# Altium PCB gpn-badge.PcbDoc (part 1 of 2)
Units mm, origin at the board's own origin, x right, y up, seen from the top; angles counter-clockwise.
Board outline 33.25 x 158.25 mm, 2 copper layers (Top Layer, Bottom Layer), stack 1.571 mm thick; 99 components, 87 nets, 437 pads, 266 vias.
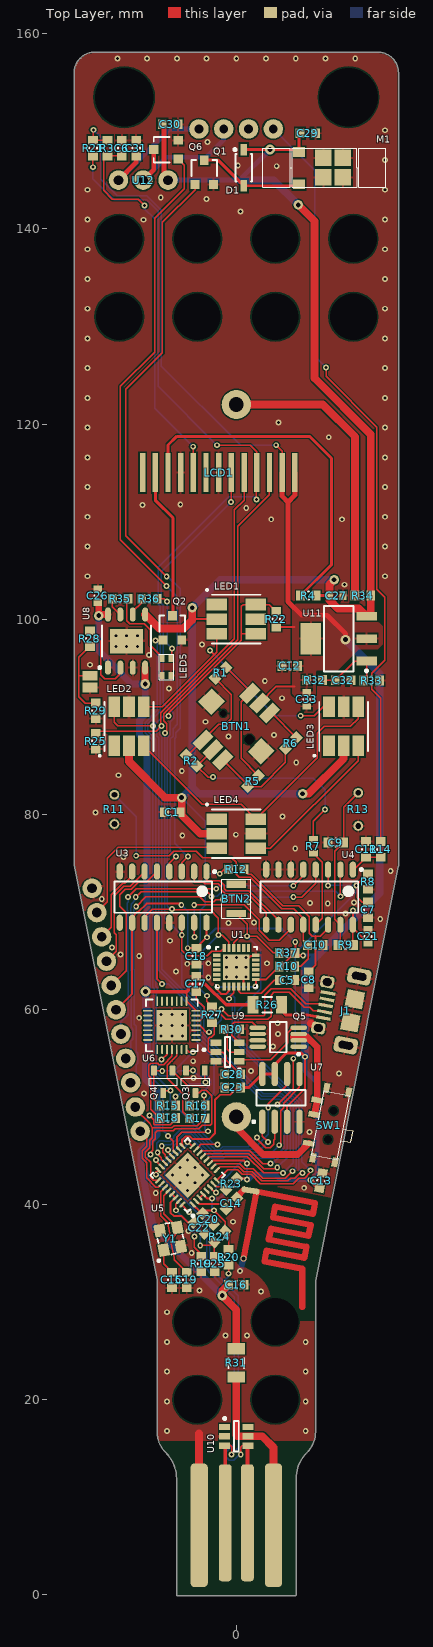
[diagram p0: Top Layer view]
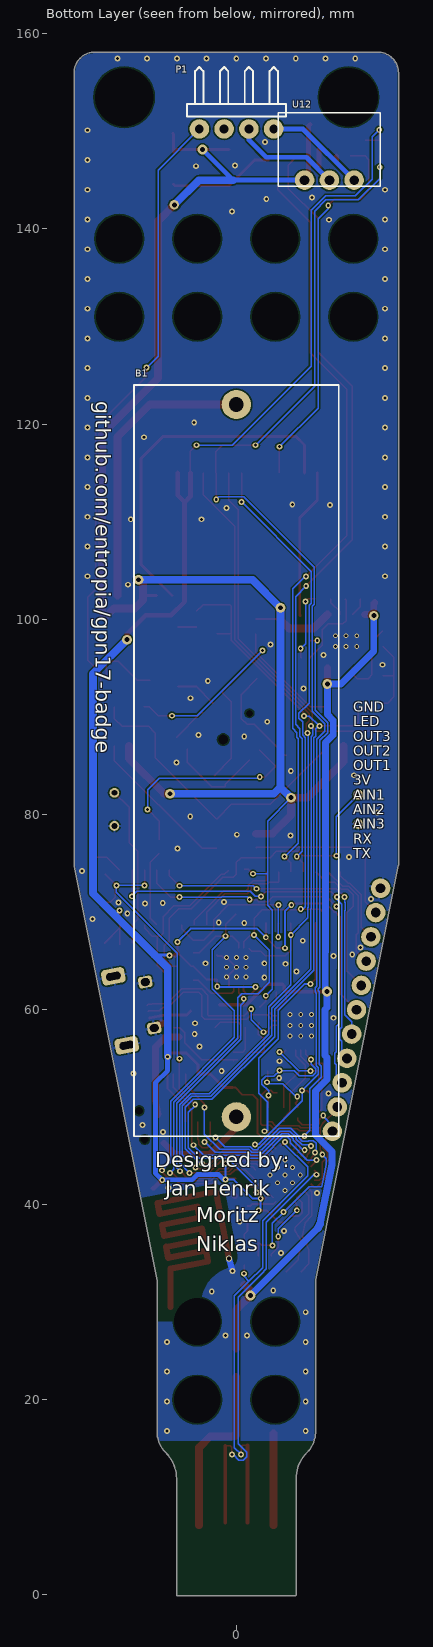
[diagram p1: Bottom Layer view, seen from below]
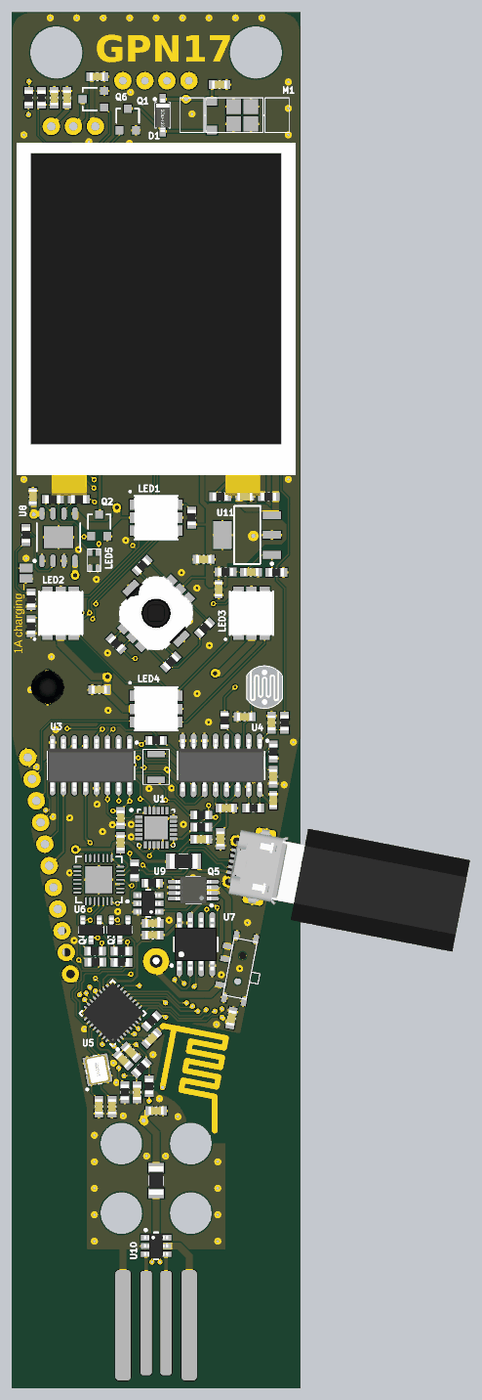
[diagram p3: 3D render of the assembled board from above, using the file's embedded part models]

## Layer stack, top to bottom
Top Solder: solder mask 0.0102, Solder Resist, Dk 3.5
Top Layer: signal copper 0.0356
Dielectric 1: dielectric 1.5, FR-4, Dk 4.8
Bottom Layer: signal copper 0.0356
Bottom Solder: solder mask 0.0102, Solder Resist, Dk 3.5

## Board outline
-7.241,14.561 cw(c-5.098,16.702) -8.126,16.607 cw(c-8,16.626) -8.127,16.626 -8.127,32.287 -16.625,74.775 cw(c-16.5,74.8) -16.627,74.8 -16.627,156 cw(c-14.5,156) -14.5,158.127 14.5,158.127 cw(c14.5,156) 16.627,156 16.627,74.7 cw(c16.5,74.7) 16.625,74.675 8.127,32.187 8.127,16.702 ccw(c8,16.702) 8.127,16.703 8.127,16.702 cw(c5.098,16.702) 7.241,14.561 cw(c5.098,16.702) 7.24,14.56 ccw(c7.15,14.65) 7.241,14.561 7.24,14.56 ccw(c9.926,11.874) 6.127,11.874 6.127,0 cw(c6,0) 6,-0.127 -6,-0.127 cw(c-6,0) -6.127,0 -6.127,11.874 ccw(c-9.926,11.874) -7.24,14.56 cw(c-7.15,14.65)

## Design rules (kind name [scope] priority, off if disabled: settings)
Clearance [All] p1: gap=0.15
ComponentClearance [All] p1 off: gap=0.254 collisioncheckmode=3 verticalgap=0.254 showdistances=FALSE
DiffPairsRouting [All] p1: maxlimit=0.254 minlimit=0.15 mostfreqgap=0.2 toplayer_minwidth=0.15 toplayer_maxwidth=0.381 toplayer_prefwidth=0.15 bottomlayer_minwidth=0.15 bottomlayer_maxwidth=0.381 bottomlayer_prefwidth=0.15 maxuncoupledlength=12.7
PolygonConnect [All vs IsVia] p1: connectstyle=Direct reliefconductorwidth=0.254 reliefentries=4 polygonreliefangle="90 Angle" airgapwidth=0.254
PolygonConnect PolygonConnect_1 [All] p2: connectstyle=Relief reliefconductorwidth=0.254 reliefentries=4 polygonreliefangle="90 Angle" airgapwidth=0.15
RoutingVias [All] p1: holewidth=0.3 width=0.6 viastyle="Through Hole" minholewidth=0.3 minwidth=0.5 maxholewidth=0.8 maxwidth=1.4
SolderMaskExpansion [All] p1: expansion=0.102
Width [All] p1: maxlimit=1 minlimit=0.15 preferedwidth=0.15
28 further rules are at their usual default settings.

## Classes and differential pairs
component class cpu: BTN2 C14 C15 C16 C17 C18 C19 C20 C22 C23 C25 Q3 Q4 R15 R16 R17 R18 R19 R20 R21 R22 R23 R24 R25 R37 U5 U6 U7 Y1
component class power: B1 C26 C27 C28 C29 C30 C31 C32 C33 D1 J1 LED5 M1 P1 Q1 Q5 Q6 R26 R27 R28 R29 R30 R31 R32 R33 R34 R35 R36 SW1 U8 U9 U10 U11 U12
component class gpio: *1 BTN1 C1 C5 C6 C7 C8 C9 C10 C11 C12 C13 LCD1 LED1 LED2 LED3 LED4 Q2 R1 R2 R3 R4 R5 R6 R7 R8 R9 R10 R11 R12 R13 R14 U1 U3 U4
differential pair SER: +SER_P -SER_N
differential pair USB: +USB_P -USB_N

## Components (designator, comment, footprint, x,y, rotation, side; value= is the part's Value field where it differs from the comment)
B1 "18650–Holder" 18650–Holder 0,85.49 r180 bottom
BTN1 "joystick" joystick 0,89 r45 top
BTN2 "" BUTON -1.5,73.325 r270 top
C1 "100n 25V" C-0603-M -6.553,80.213 r0 top
C5 "100n 25V" C-0603-M 5.2,63 r180 top
C6 "100n 25V" C-0603-M -11.735,148.285 r270 top
C7 "1n 50V" C-0603-M 13.5,70.2 r90 top
C8 "100n 25V" C-0603-M 7.417,63.043 r90 top
C9 "100n 25V" C-0603-M 10.2,77.1 r0 top
C10 "100n 25V" C-0603-M 8.1,66.6 r180 top
C11 "100n 25V" C-0603-M 13.3,76.4 r270 top
C12 "100n 25V" C-0603-M 5.486,95.199 r0 top
C13 "100n 25V" C-0603-M 8.687,42.443 r259 top
C14 "5.6p 50V" C-0603-M -0.5,40.1 r45 top
C15 "5.6p 50V" C-0603-M -6.604,32.258 r90 top
C16 "1u 10V" C-0603-M 0,31.775 r180 top
C17 "100n 25V" C-0603-M -4.1,62.6 r270 top
C18 "100n 25V" C-0603-M -4.089,65.456 r90 top
C19 "5.6p 50V" C-0603-M -5.08,32.258 r90 top
C20 "1u 10V" C-0603-M -2.9,38.5 r135 top
C21 "10u 6,3V" C-0603-H 13.513,67.488 r270 top
C22 "100n 25V" C-0603-M -3.8,37.6 r135 top
C23 "1u 10V" C-0603-M -0.381,51.994 r0 top
C25 "220p 50V" C-0603-M -2.2,33.9 r90 top
C26 "10u 6,3V" C-0603-H -14.2,102.4 r270 top
C27 "10u 6,3V" C-0603-H 10.236,102.413 r180 top
C28 "100n 25V" C-0603-M -0.381,53.34 r0 top
C29 "100n 25V" C-0603-M 7.315,149.809 r180 top
C30 "100n 25V" C-0603-M -6.782,150.724 r180 top
C31 "100n 25V" C-0603-M -10.262,148.285 r270 top
C32 "100n 25V" C-0603-M 10.947,93.726 r180 top
C33 "10u 6,3V" C-0603-H 7.214,91.77 r90 top
D1 "BAT54T1G" SOD123 0.762,146.279 r90 top
J1 "USB Micro Type B (recommended if hand soldering)" USB_Micro-Molex 13.974,59.451 r79 top
LCD1 "LCD" LCD -16.203,105.011 r0 top
LED1 "WS2813" plcc6 0,100 r0 top
LED2 "WS2813" plcc6 -11,89 r90 top
LED3 "WS2813" plcc6 11,89 r90 top
LED4 "WS2813" plcc6 0,78 r0 top
LED5 "DUO_LED" LEDDUO -6.4,93.8 r90 top
M1 "VIBRATOR" VIBRATOR_SMD 15.326,148.279 r180 top
P1 "Header 4H" HDR1X4H -3.83,150.25 r0 bottom
Q1 "AO3400" AO-SOT23-3_V -3.277,145.796 r0 top
Q2 "AO3400" AO-SOT23-3_V -6.553,99.111 r0 top
Q3 "NPN_MMBT3904" SOT23-3 -4.191,52.578 r270 top
Q4 "NPN_MMBT3904" SOT23-3 -7.493,52.578 r270 top
Q5 "CEG8205" TSSOP8 4.293,57.15 r180 top
Q6 "AO3400" AO-SOT23-3_V -7.214,148.133 r90 top
R1 "?" R-0603-M -1.6,94.5 r225 top
R2 "?" R-0603-M -4.6,85.5 r315 top
R3 "12k" R-0603-M -13.208,148.285 r270 top
R4 "10" R-0603-M 7.391,102.413 r0 top
R5 "?" R-0603-M 1.7,83.4 r225 top
R6 "?" R-0603-M 5.6,87.3 r225 top
R7 "200k" R-0603-H 7.9,76.7 r90 top
R8 "100k" R-0603-M 13.5,73.1 r90 top
R9 "?" R-0603-M 11.2,66.6 r0 top
R10 "?" R-0603-M 5.2,64.4 r180 top
R11 "NTC" NTC -12.5,80.5 r90 top
R12 "300k" R-0603-M 0,74.371 r180 top
R13 "LDR" LDR-5mm 12.5,80.5 r90 top
R14 "?" R-0603-M 14.8,76.4 r90 top
R15 "12k" R-0603-M -7.036,50.14 r0 top
R16 "12k" R-0603-M -3.988,50.14 r180 top
R17 "470" R-0603-M -3.988,48.844 r359.6 top
R18 "470" R-0603-M -7.01,48.87 r0 top
R19 "12k" R-0603-M -3.6,33.9 r270 top
R20 "1.2k" R-0603-M -0.8,34.6 r90 top
R21 "12k" R-0603-M -14.681,148.285 r270 top
R22 "12k" R-0603-M 4.1,100 r90 top
R23 "12k" R-0603-M -0.5,42.1 r225 top
R24 "12k" R-0603-M -1.7,36.7 r225 top
R25 "12k" R-0603-M -14.4,87.5 r90 top
R26 "0.27" R-1206-M 3.175,60.477 r180 top
R27 "100" R-0603-M -2.489,59.436 r90 top
R28 "1.2k" R-0603-M -15,98 r90 top
R29 "1.2k" R-0603-M -14.4,90.6 r90 top
R30 "1.2k" R-0603-M -0.457,57.963 r180 top
R31 "0.27" R-1206-M 0,23.75 r90 top
R32 "150" R-0603-M 8.026,93.751 r0 top
R33 "220" R-0603-M 13.868,93.701 r180 top
R34 "0" R-0603-M 12.979,102.413 r0 top
R35 "1.2k" R-0603-M -11.9,102.1 r180 top
R36 "1.2k" R-0603-M -8.9,102.1 r180 top
R37 "12k" R-0603-M 5.207,65.786 r180 top
SW1 "SWITCH" SWITCH 10.37,44.586 r79 top
U1 "MPU6500" INSE-QFN-24_V 0,64.313 r0 top
U3 "SN74HC595D" D0016A_L -7.5,71.5 r270 top
U4 "CD4051BM" D0016A_M 7.5,71.5 r270 top
U5 "ESP8266EX" QFN32-5x5mm -5,43 r135 top
U6 "CP2102-GM" SLAB-QFN-28-3125x3125TP_M -6.604,58.355 r180 top
U7 "W25Q64" SOIC-8 4.572,50.927 r90 top
U8 "TP4056" SOIC127P600X20_HS-9N -11.25,97.75 r90 top
U9 "DW01A" SOT23-6 -0.889,55.626 r180 top
U10 "IP4220CZ6" SOT23-6 0,16.231 r0 top
U11 "LM1117IMPX-ADJ" MP04A_L 10.5,98 r180 top
U12 "BOOST" BOOST -4.28,144.4 r180 top
Y1 "26MHz" 3225 -6.75,36.5 r101 top
? "Comment" ESP8266_ANT 1.854,36.398 r0 top

## Footprints (in the part's own frame and the unit in brackets; to place one, negate y for a bottom-side part, rotate by r counter-clockwise, add the part's x,y. Pads: shape width x height; smd on the part's side, far side on the other; paste and mask are expansions set on the pad)
3225 [mm]
  rrect20% 1.3x1.1 smd: 1(-1,0.9) 2(1,0.9) 3(1,-0.9) 4(-1,-0.9)
  silkscreen extent -2.1,-1.3 1.6,1.7, body extent -1.6,-1.25 1.6,1.25, height 0.81
18650–Holder [mm]
  round 3 hole 1.5: 1(0,36.51) 2(0,-36.51)
  silkscreen extent -10.5,-38.5 10.5,38.5, body extent -10.49,-38.5 10.49,38.46, height 21.46
AO-SOT23-3_V [mm] "SOT23, 3-Leads, Body 3.016x2.8mm, Pitch 0.95mm"
  rect 0.9x0.95 smd: 1(-0.95,-1.25) 2(0.95,-1.25) 3(0,1.25)
  silkscreen extent -1.3,-0.38 1.3,1.25, body extent -1.14,-1.25 1.17,1.36, height 1.25
BOOST [mm]
  round 2 hole 1: 1(2.72,-0.6) 2(5.26,-0.6) 3(7.8,-0.6)
BUTON [mm]
  rect 0.75x2 smd: 1(3.5,1.5) 2(0.5,1.5)
  silkscreen extent 0,0 4,3
C-0603-H [mm] "Chip Resistor, Body 1.6x0.8mm, IPC High Density"
  rect 0.7x0.9 smd: 1(-0.7,0) 2(0.7,0)
  silkscreen extent -0.05,-0.35 0.05,0.35, body extent -0.85,-0.45 0.85,0.45, height 0.9
C-0603-M [mm] "Chip Resistor, Body 1.6x0.8mm, IPC Medium Density"
  rect 0.9x1 smd: 1(-0.8,0) 2(0.8,0)
  silkscreen extent -0.05,-0.4 0.05,0.4, body extent -0.85,-0.45 0.85,0.45, height 0.9
D0016A_L [mm] "SOIC, 16-Leads, Body 10x4mm, Pitch 1.27mm, IPC High Density"
  oval 1.65x0.65 smd: 1(-2.625,4.445) 2(-2.625,3.175) 3(-2.625,1.905) 4(-2.625,0.635) 5(-2.625,-0.635) 6(-2.625,-1.905) 7(-2.625,-3.175) 8(-2.625,-4.445) 9(2.625,-4.445) 10(2.625,-3.175) 11(2.625,-1.905) 12(2.625,-0.635) 13(2.625,0.635) 14(2.625,1.905) 15(2.625,3.175) 16(2.625,4.445)
  silkscreen extent -2.75,-5 1.6,5.4, body extent -3,-4.95 3,4.95, height 1.59
D0016A_M [mm] "SOIC, 16-Leads, Body 10x4mm, Pitch 1.27mm, IPC Low Density"
  oval 1.65x0.65 smd: 1(-2.825,4.445) 2(-2.825,3.175) 3(-2.825,1.905) 4(-2.825,0.635) 5(-2.825,-0.635) 6(-2.825,-1.905) 7(-2.825,-3.175) 8(-2.825,-4.445) 9(2.825,-4.445) 10(2.825,-3.175) 11(2.825,-1.905) 12(2.825,-0.635) 13(2.825,0.635) 14(2.825,1.905) 15(2.825,3.175) 16(2.825,4.445)
  silkscreen extent -2.95,-5 1.6,5.45, body extent -3,-4.95 3,4.95, height 1.59
ESP8266_ANT [mil] "ESP8266_ANT"
  oval 75x25 smd rot 169 paste-78.74: 1(-15.69,198.06)
  round 25 hole 16 paste-78.74: 2(-43.62,-76.66)
  Top Layer lines w25: -43.62,-76.66 8.85,193.29 244.44,147.49 235.86,103.32 83.71,132.9 75.12,88.72 227.27,59.15 218.68,14.97 66.53,44.55 57.95,0.38 210.1,-29.2 201.51,-73.37 49.36,-43.8 40.77,-87.97 192.93,-117.55 192.93,-271.96
HDR1X4H [mm] "Connector; Header; 4 Position; Right Angle"
  round 2 hole 0.9: 1(0,0) 2(2.54,0) 3(5.08,0) 4(7.62,0)
  silkscreen extent -1.27,-6.35 8.89,-1.27
INSE-QFN-24_V [mm] "QFN, 24-Leads, Body 4.00x4.00mm, Pitch 0.50mm, Thermal Pad 2.7x2.6mm"
  rect 0.8x0.35 smd: 1(-2,1.25) 2(-2,0.75) 3(-2,0.25) 4(-2,-0.25) 5(-2,-0.75) 6(-2,-1.25) 13(2,-1.25) 14(2,-0.75) 15(2,-0.25) 16(2,0.25) 17(2,0.75) 18(2,1.25)
  rect 0.35x0.85 smd: 7(-1.25,-1.975) 8(-0.75,-1.975) 9(-0.25,-1.975) 10(0.25,-1.975) 11(0.75,-1.975) 12(1.25,-1.975) 19(1.25,1.975) 20(0.75,1.975) 21(0.25,1.975) 22(-0.25,1.975) 23(-0.75,1.975) 24(-1.25,1.975)
  rect 2.7x2.6 smd: 25(0,0)
  silkscreen extent -2.97,-2.1 2.1,2.17, body extent -2,-2 2,2, height 0.95
joystick [mm]
  round 0 hole 1 unplated: 0(0,-1.9)
  round 0 hole 0.7 unplated: 0(0,1.9)
  rect 2x1.1 smd: 1(-3.39,1.43) 2(-3.39,0) 3(-3.39,-1.43) 4(3.39,1.43) 5(3.39,0) 6(3.39,-1.43)
  rect 2x1.9 smd: 7(0,3.6) 7(0,-3.6)
  body extent -3.74,-3.75 3.74,3.75, height 5
LCD [mm]
  rect 0.55x4 smd: 1(22.2,10) 2(20.9,10) 3(19.6,10) 4(18.3,10) 5(17,10) 6(15.7,10) 7(14.4,10) 8(13.1,10) 9(11.8,10) 10(10.5,10) 11(9.2,10) 12(7.9,10) 13(6.6,10)
  body extent 0.1,-2.5 32.3,38.1, height 0
LDR-5mm [mm]
  round 1 hole 0.6: 1(-1.7,0) 2(1.7,0)
  body extent -2.52,-2.12 2.52,2.13, height 3.17
LEDDUO [mm]
  rect 0.75x0.5 smd: 1(2.2,1.2) 2(0.4,1.2) 3(2.2,0.3) 4(0.4,0.3)
  silkscreen extent 0,0 2.6,1.5
MP04A_L [mm] "SOT223, 4-Leads, Body 6.5x3.5mm, Pitch 2.3mm, Lead Span 7mm, IPC High Density"
  rect 2.1x0.9 smd: 1(-2.85,2.3) 2(-2.85,0) 3(-2.85,-2.3)
  rect 2.1x3.2 smd: 4(2.85,0)
  silkscreen extent -2.98,-3.35 1.5,3.42, body extent -1.86,-3.35 1.86,3.35, height 1.8
NTC [mm]
  round 1 hole 0.6: 1(-1.5,0) 2(1.5,0)
  body extent -1.96,-1.96 1.96,1.96, height 4.62
plcc6 [mm]
  rect 2.1x1.2 smd: 1(-2,1.5) 2(-2,0) 3(-2,-1.5) 4(2,-1.5) 5(2,0) 6(2,1.5)
  silkscreen extent -3.1,-2.5 2.5,3.1, body extent -2.6,-2.48 2.6,2.53, height 1.6
QFN32-5x5mm [mm] "QFN, 32-Leads, Body 5x5mm, Pitch 0.5mm, Thermal Pad 3.3x3.3mm, IPC Medium Density"
  oval 0.8x0.25 smd: 1(-2.5,1.75) 2(-2.5,1.25) 3(-2.5,0.75) 4(-2.5,0.25) 5(-2.5,-0.25) 6(-2.5,-0.75) 7(-2.5,-1.25) 8(-2.5,-1.75) 17(2.5,-1.75) 18(2.5,-1.25) 19(2.5,-0.75) 20(2.5,-0.25) 21(2.5,0.25) 22(2.5,0.75) 23(2.5,1.25) 24(2.5,1.75)
  oval 0.25x0.8 smd: 9(-1.75,-2.5) 10(-1.25,-2.5) 11(-0.75,-2.5) 12(-0.25,-2.5) 13(0.25,-2.5) 14(0.75,-2.5) 15(1.25,-2.5) 16(1.75,-2.5) 25(1.75,2.5) 26(1.25,2.5) 27(0.75,2.5) 28(0.25,2.5) 29(-0.25,2.5) 30(-0.75,2.5) 31(-1.25,2.5) 32(-1.75,2.5)
  rect 3.3x3.3 smd: 33(0,0)
  silkscreen extent -3.47,-2.7 2.7,2.7, body extent -2.51,-2.51 2.51,2.51, height 0.8
R-0603-H [mm] "Chip Resistor, Body 1.6x0.8mm, IPC High Density"
  rect 0.7x0.9 smd: 1(-0.7,0) 2(0.7,0)
  silkscreen extent -0.05,-0.35 0.05,0.35, body extent -0.87,-0.47 0.88,0.48, height 0.55
R-0603-M [mm] "Chip Resistor, Body 1.6x0.8mm, IPC Medium Density"
  rect 0.9x1 smd: 1(-0.8,0) 2(0.8,0)
  silkscreen extent -0.05,-0.4 0.05,0.4, body extent -0.87,-0.47 0.88,0.48, height 0.55
R-1206-M [mm] "Chip Resistor, Body 3.2x1.6mm, IPC Medium Density"
  rect 1.15x1.8 smd: 1(-1.45,0) 2(1.45,0)
  silkscreen extent -0.5,-0.8 0.5,0.8, body extent -1.62,-0.82 1.63,0.83, height 0.7
SLAB-QFN-28-3125x3125TP_M [mm] "QFN, 28-Leads, Body 5x5mm, Pitch 0.5mm, Thermal Pad 3.13x3.13mm, IPC Low Density"
  oval 0.95x0.2 smd: 1(-2.475,1.5) 2(-2.475,1) 3(-2.475,0.5) 4(-2.475,0) 5(-2.475,-0.5) 6(-2.475,-1) 7(-2.475,-1.5) 15(2.475,-1.5) 16(2.475,-1) 17(2.475,-0.5) 18(2.475,0) 19(2.475,0.5) 20(2.475,1) 21(2.475,1.5)
  oval 0.2x0.95 smd: 8(-1.5,-2.475) 9(-1,-2.475) 10(-0.5,-2.475) 11(0,-2.475) 12(0.5,-2.475) 13(1,-2.475) 14(1.5,-2.475) 22(1.5,2.475) 23(1,2.475) 24(0.5,2.475) 25(0,2.475) 26(-0.5,2.475) 27(-1,2.475) 28(-1.5,2.475)
  rect 3.13x3.13 smd: 29(0,0)
  silkscreen extent -3.42,-2.65 2.65,2.65, body extent -2.5,-2.5 2.5,2.5, height 1
SOD123 [mm]
  rect 1.2x0.7 smd: 1(-1.85,0) 2(1.85,0)
  silkscreen extent -1.43,-0.85 1.97,1.02, body extent -1.93,-0.85 1.93,0.85, height 1.42
SOIC127P600X20_HS-9N [mm] "SOIC, 8-Leads, Body 4,90x3,90mm, Pitch 1,27mm, Thermal Pad 3,40x2,50mm, IPC Medium Density"
  oval 1.45x0.6 smd: 1(-2.725,1.905) 2(-2.725,0.635) 3(-2.725,-0.635) 4(-2.725,-1.905) 5(2.725,-1.905) 6(2.725,-0.635) 7(2.725,0.635) 8(2.725,1.905)
  rect 2.5x3.4 smd: 9(0,0)
  silkscreen extent -2.85,-2.5 1.6,2.88, body extent -2,-2.5 2,2.5, height 1
SOIC-8 [mm] "SOIC, 8-Leads, Body 4.89x3.9mm, Pitch 1.27mm, IPC Low Density"
  oval 2.5x0.65 smd: 1(-2.45,1.905) 2(-2.45,0.635) 3(-2.45,-0.635) 4(-2.45,-1.905) 5(2.45,-1.905) 6(2.45,-0.635) 7(2.45,0.635) 8(2.45,1.905)
  silkscreen extent -2.57,-2.5 0.8,2.9, body extent -3,-2.45 3,2.45, height 1.75
SOT23-3 [mm] "SOT23, 3 pin"
  round 0.5 on Mech15: 0(0,0)
  rrect25% 1x0.6 smd: 1(-1.15,0.95) 2(-1.15,-0.95) 3(1.15,0)
  silkscreen extent -0.38,-1.45 0.38,1.45, body extent -1.4,-1.45 1.4,1.45, height 1.29
SOT23-6 [mm] "SOT23, 6-Leads, Body 2.9x1.6mm, Pitch 0.95mm, Lead Span 2.8mm, IPC Medium Density"
  rect 1.1x0.65 smd: 1(-1.2,0.95) 2(-1.2,0) 3(-1.2,-0.95) 4(1.2,-0.95) 5(1.2,0) 6(1.2,0.95)
  silkscreen extent -1.33,-1.55 0.25,1.95, body extent -1.4,-1.45 1.4,1.45, height 1.45
SWITCH [mm]
  rect 0.6x1.2 smd: 1(1.1,3.2) 2(4.1,3.2) 3(5.6,3.2)
  rect 1x0.6 smd: SH(-0.3,0.2) SH(-0.3,2.5) SH(7,0.2) SH(7,2.5)
  rect 0x0 hole 0.8: ""(1.85,1.35) ""(4.85,1.35)
  silkscreen extent 0,-1 6.7,2.7
TSSOP8 [mm] "TSOP, 8-Leads, Body 3x3mm, Pitch 0.65mm, IPC Medium Density"
  oval 1.7x0.45 smd: 1(-2.1,0.975) 2(-2.1,0.325) 3(-2.1,-0.325) 4(-2.1,-0.975) 5(2.1,-0.975) 6(2.1,-0.325) 7(2.1,0.325) 8(2.1,0.975)
  silkscreen extent -2.22,-1.55 0.85,1.87, body extent -2.05,-1.55 2.05,1.55, height 1.1
USB_Micro-Molex [mm]
  round 0.508 on Mech15: 0(0,0)
  rrect20% 0.35x1.5 smd: 1(-1.3,4.9) 2(-0.65,4.9) 3(0,4.9) 4(0.65,4.9) 5(1.3,4.9)
  rrect50% 1.6x2.4 hole 0.8 slot 1.5 at 90 deg: SH(-3.6,2.1) SH(3.6,2.1)
  rrect50% 1.2x1.4 hole 0.8 slot 0.9 at 90 deg: SH(-2.4,5.2) SH(2.4,5.2)
  rect 1.8x1.8 smd: SH(-1.2,2.1) SH(1.2,2.1)
  body extent -5.35,-21.58 5.35,5.3, height 5.2
VIBRATOR_SMD [mm]
  rect 1.2x1 smd: 1(8.9,0.4) 2(8.9,3.7)
  rect 1.7x1.7 smd: SH(4.4,3) SH(4.4,1) SH(6.4,3) SH(6.4,1)
  silkscreen extent 0,0 12.6,4

## Part data
BTN2: library part BUTTON
C1 C5 C6 C8 C9 C10 C11 C12 C13 C17 C18 C22 C28 C29 C30 C31 C32: library part C-0603-100n-25V, "Capacitor 100n 25V"
C7: library part C-0603-1n-50V, "Capacitor 1nF 50V"
C14 C15 C19: library part C-0603-5p6-50V, "Capacitor 5.6pF 50V"
C16 C20 C23: library part C-0603-1u-10V, "Capacitor 1uF 10V"
C21 C26 C27 C33: library part C-0603-10u-6,3V, "Capacitor 10uF 6,3V"
C25: library part C-0603-220p-50V, "Capacitor 220p 50V"
D1: library part D-BAT54T1G
J1: library part USB_Micro_MOLEX, "Connector SMD-THD USB Micro Type B middle mount"
LED1 LED2 LED3 LED4: "WS2813 Addressable LED"
M1: "rawr"
P1: "Header, 4-Pin, Right Angle"
Q1 Q2 Q6: library part CMP-0278-00001-1, "N-channel Enhancement Mode Field-Effect Transistor; 5.8A/30V"
Q3 Q4: "Transistor SMD NPN 40V 0.2A 250mW SOT-23"
Q5: library part MOSFET-CEG8205, "Dual mini mosfet 20V 4.5A"
R1 R2 R5 R6 R34: library part R-0603-0, "Resistor 0"
R3 R15 R16 R19 R21 R22 R23 R24 R25 R37: library part R-0603-12k, "Resistor 12k"
R4: library part R-0603-10, "Resistor 10"
R7: library part R-0603-200k, "Resistor 200k"
R8: library part R-0603-100k, "Resistor 100k"
R9 R10 R12 R14: library part R-0603-300k, "Resistor 300k"
R17 R18: library part R-0603-470, "Resistor 470"
R20 R28 R29 R30 R35 R36: library part R-0603-1k2, "Resistor 1.2k"
R26 R31: library part R-1206-0R27, "Resistor 0.27"
R27: library part R-0603-100, "Resistor 100"
R32: library part R-0603-150, "Resistor 150"
R33: library part R-0603-220, "Resistor 220"
U1: library part CMP-1753-00002-1, "3-Axis Gyroscope, 3-Axis Accelerometer / , 2.375 to 3.46 V, -40 to 105 degC, 24-Pin QFN, RoHS, Tape and Reel"
U3: library part CMP-0780-00038-3, "8-Bit Shift Registers With 3-State Output Registers, D0016A, TUBE"
U4: library part CMP-1575-00043-4, "CMOS Single 8-Channel Analog Multiplexer/Demultiplexer with Logic-Level Conversion, D0016A, TUBE"
U6: library part CMP-0511-00012-1, "Single-Chip USB to UART Bridge, 1024 Bytes EEPROM, -40 to 85 degC, 28-pin QFN, Tube"
U7: "8MB / 64Mib Flash"
U8: "1A standalone linear charging IC"
U9: "Single Cell LiIon LiPo Protection"
U10: "USB ESD Protection"
U11: library part CMP-0062-01617-3, "800mA Low-Dropout Linear Regulator, 4-pin SOT-223"
Y1: library part 3225-26MHz

## Free pads (board coordinates)
  round 0 hole 6 unplated: 0(-11.5,153.5) 0(11.5,153.5)
  round 2 hole 1: 1(-14.789,72.414) 1(-14.295,69.923) 1(-13.802,67.431) 1(-13.309,64.939) 1(-12.815,62.448) 1(-12.322,59.956) 1(-11.829,57.465) 1(-11.335,54.973) 1(-10.842,52.481) 1(-10.349,49.99) 1(-9.855,47.498)
  rrect50% 1.778x12.7 smd: 1(-3.81,7.112) 4(3.81,7.112)
  rrect50% 1.3x12 smd: 2(-1.143,7.366) 3(1.143,7.366)
  round 0 hole 4.8 unplated: 4(-12,131) 4(-4,20) 4(4,131) 5(-4,131) 5(4,20) 5(12,131) 6(-4,139) 6(4,28) 6(12,139) 7(-12,139) 7(-4,28) 7(4,139)
  rect 1.5x1 smd: 8(-15,93) 8(-15,94.2)

## Via types
v1: diameter 0.6, hole 0.3, Top Layer to Bottom Layer, 222 vias
v2: diameter 0.5, hole 0.3, Top Layer to Bottom Layer, 33 vias
v3: diameter 1, hole 0.5, Top Layer to Bottom Layer, 11 vias

## Nets (pads, with @x,y where several pads share a name; then routed paths per layer and width w, separated by ;. In a path a pad name is that pad's centre, name@x,y a point inside that pad or via, vN(x,y) a via of type N, cw(c..) or ccw(c..) an arc to the next point about the centre after c; other vN are vias at no path point)
5V: C31.2 P1.1 U12.3 | length 13.8
  Top Layer w0.5: U12.3@-12.08,145 -10.262,146.818 C31.2@-10.262,147.485
  Bottom Layer w0.5: U12.3@-12.08,145 -6.83,150.25 -4.08,150.25 P1.1@-3.83,150.5
ADC: C7.2 R8.2 U4.3 U5.6 | length 49.4
  Top Layer w0.15: U5.6@-2.702,41.763 -2.139,41.2 -2.109,41.23 v1(-2.07,41.23) ; v1(4.216,50.241) 5.842,51.867 v1(5.842,54.94) ; v1(9.4,72.7) 9.4,74.32 U4.3@9.405,74.325 ; v1(12.3,72.7) 12.4,72.6 12.4,71.5 12.9,71 C7.2@13.5,71 ; v1@12.4,72.8 R8.2@13.5,73.9
  Bottom Layer w0.15: v1@-2,41.1 -2,41.161 v1(-2.07,41.23) -2.07,41.777 0.879,44.725 3.813,44.725 4.919,45.831 4.919,49.437 4.216,50.14 v1(4.216,50.241) ; v1(5.842,54.94) 6.05,55.148 6.05,65.74 12.3,71.99 v1(12.3,72.7) v1(9.4,72.7)
ALKSNS: C11.2 R14.1 U4.1 | length 3.4
  Top Layer w0.15: U4.1@11.945,74.325 12.025,74.325 C11.2@13.3,75.6 R14.1@14.8,75.6
BATLVL: C8.2 R12.1 U4.14 | length 17
  Top Layer w0.15: R12.1@0.8,74.257 1.224,73.833 1.529,73.833 4.762,70.6 6.4,70.6 7.5,69.5 7.5,67.8 7.8,67.5 8.103,67.5 8.6,67.5 9.405,68.305 U4.14@9.405,68.675
  Top Layer w0.2: C8.2@7.417,63.843 8.103,64.529 8.103,67.5
EN: R23.2 U5.7 | length 1.5
  Top Layer w0.15: U5.7@-2.348,42.116 -2.032,41.8 -1.331,41.8 R23.2@-1.066,41.534
ESP_RX: pad.1@-10.349,49.99 R17.2 U5.25 | length 15
  Top Layer w0.15: pad.1@-10.349,49.99 -10.349,49.744 -8.865,48.311 -8.63,47.845 ; U5.25@-8.005,42.47 -8.512,42.47 -8.788,42.747 -8.788,44.303 -9.339,44.854 -9.339,45.373 -8.882,45.83 -8.882,46.592 -8.63,46.843 -8.63,47.845 ; R17.2@-3.264,48.458 -3.607,48.458 -3.983,48.082 -6.375,48.082 -6.613,47.845 -8.63,47.845
ESP_TX: pad.1@-9.855,47.498 R18.2 U5.26 | length 13.2
  Top Layer w0.15: pad.1@-9.855,47.498 -9.182,46.824 -9.182,45.954 -9.639,45.497 -9.639,44.729 -9.182,44.272 -9.182,42.715 -8.249,41.783 -7.985,41.783 U5.26@-7.652,42.116 ; v1(-8.915,49.124) -8.485,48.694 -8.485,48.276 -8.354,48.145 -6.77,48.145 -6.287,48.628 R18.2@-6.287,48.87
  Bottom Layer w0.15: pad.1@-9.855,47.498 -9.855,48.082 -8.915,49.022 v1(-8.915,49.124)
GND: BTN1.7 BTN2.2 C1.1 C5.1 C6.1 C7.1 C8.1 C9.1 C10.1 C11.1 C12.1 C13.1 C15.1 C16.1 C17.1 C18.1 C19.1 C20.1 C21.1 C22.1 C23.1 C25.1 C26.1 C27.1 C28.1 C29.1 C30.1 C31.1 C32.1 C33.1 J1.5 J1.SH LCD1.7 LCD1.10 LED1.5 LED2.5 LED3.5 LED4.5 LED5.2 LED5.4 M1.SH pad.1@-3.81,7.112 pad.1@-14.789,72.414 pad.8@-15,93 Q1.2 Q2.2 Q5.6 Q5.7 Q6.2 R8.1 R11.1 R13.1 R19.2 R25.1 R29.1 R30.1 R33.1 SW1.SH U1.11 U1.18 U1.25 U3.8 U3.13 U4.6 U4.7 U4.8 U5.33 U6.3 U6.29 U7.4 U8.1 U8.3 U8.9 U9.6 U10.2 Y1.2 Y1.4 | length 16.4
  Top Layer w0.2: U1.11@0.75,62.338 0.75,63.563 v2(0,64.313) v2(1,65.313) 1.35,65.313 1.35,65.341 1.496,65.488 1.925,65.488 U1.18@2,65.563
  Top Layer w0.8: pad.1@-3.81,7.112 -3.81,16.51 ; 7.654,58.572 J1.SH@8.412,58.088
  Bottom Layer w0.635: v1(0.381,33.172) 0.746,34.451
  other v1: -7.112,16.764 7.112,16.764 -7.112,19.812 7.112,19.812 -7.112,22.86 7.112,22.86 -7.112,25.908 7.112,25.908 -1.092,26.568 1.092,26.568 -7.112,28.956 2.515,31.09 -3.785,31.191 -4.572,35.027 -4.902,37.262 -0.356,38.227 -8.255,41.173 6.96,41.707 7.518,47.422 9.627,48.133 -9.449,51.359 -4.394,52.959 10.541,53.416 1.499,53.696 -4.42,54.686 3.759,56.185 4.267,57.48 4.242,58.572 -9.957,59.131 -2.87,63.271 -6.172,63.881 -5.029,64.668 -2.87,64.719 3.15,64.719 -9.957,65.456 -11.887,65.608 -12.725,66.345 -6.807,67.031 -0.813,68.834 1.803,68.885 14.757,69.266 11.176,69.825 9.373,70.841 7.544,70.917 12.065,70.968 1.27,70.993 -13.792,71.323 15.824,74.168 -11.557,75.616 6.045,76.479 -5.537,77.826 -0.051,77.902 4.724,79.756 -14.453,80.188 -12.065,83.998 -5.588,84.43 6.147,85.293 -0.813,87.986 3.861,88.113 -3.175,89.484 4.699,91.897 -6.883,92.888 2.921,93.675 -14.986,95.326 -8.941,96.317 -3.505,97.384 11.1,103.53 -15.24,104.394 15.24,104.394 -15.24,107.442 15.24,107.442 3.581,110.236 10.82,110.236 -15.24,110.49 15.24,110.49 1.016,111.379 -9.601,111.709 -5.74,111.735 -15.24,113.538 15.24,113.538 -15.24,116.586 15.24,116.586 9.474,118.643 -15.24,119.634 15.24,119.634 4.318,120.167 -15.24,122.682 15.24,122.682 -15.24,125.73 15.24,125.73 -15.24,128.778 15.24,128.778 -15.24,131.826 15.24,131.826 -15.24,134.874 15.24,134.874 -15.24,137.922 15.24,137.922 -9.5,140.945 -15.24,140.97 15.24,140.97 0.432,141.783 -3.073,143.053 -7.747,143.231 -15.24,144.018 15.24,144.018 4.14,146.431 0.152,146.507 15.24,147.066 -2.946,148.92 15.24,150.114 -12.192,157.48 -9.144,157.48 -6.096,157.48 -3.048,157.48 0,157.48 3.048,157.48 6.096,157.48 9.144,157.48 12.192,157.48
  other v2: -5,41.444 -5.778,42.222 -4.222,42.222 -6.556,43 -5,43 -3.444,43 -5.778,43.778 -4.222,43.778 -5,44.556 -7.704,57.255 -6.604,57.255 -5.504,57.255 -7.704,58.355 -6.604,58.355 -5.504,58.355 -7.704,59.455 -6.604,59.455 -5.504,59.455 -1,63.313 0,63.313 1,63.313 -1,64.313 1,64.313 -1,65.313 0,65.313 -12.35,97.2 -11.25,97.2 -10.15,97.2 -12.35,98.3 -11.25,98.3 -10.15,98.3
GPIO0: LCD1.4 Q4.3 R21.2 U5.15 | length 125.8
  Top Layer w0.15: v1(-14.707,146.329) -14.707,147.46 R21.2@-14.681,147.485 ; Q4.3@-7.493,51.428 -7.257,51.664 v1(-6.731,51.664) ; U5.15@-4.116,45.652 -3.853,45.915 -3.861,45.923 -3.632,46.152 v1(-1.93,46.152) ; v1(-1.981,117.831) 1.448,117.831 2.1,117.178 2.1,115 2.057,114.957 v1(2.057,112.268)
  Bottom Layer w0.15: v1(-14.707,146.329) -14.707,145.161 -12.522,142.977 -9.169,142.977 -8.026,141.834 -8.026,123.876 v1(-1.981,117.831) ; v1(-1.93,46.152) -2.294,46.152 -6.773,50.631 -6.773,51.621 v1(-6.731,51.664) -6.731,51.665 -8.42,53.354 -8.42,54.037 -8.218,54.239 -8.218,61.663 -8.1,61.781 -8.1,62.221 -8.243,62.365 -8.243,70.051 -8.261,70.068 -8.261,87.696 -9.059,88.494 -9.059,89.27 -7.775,90.554 -7.775,101.308 -7.988,101.521 -7.988,105.302 -0.751,112.539 1.786,112.539 v1(2.057,112.268)
HSPI_CLK: LCD1.6 U1.23 U3.11 U5.9 | length 102.1
  Top Layer w0.15: U3.11@-9.405,68.875 -9.405,69.495 -8.618,70.282 v1@-6.663,70.282 ; v1(-6.604,70.282) v1@-6.663,70.282 ; U5.9@-1.995,43.53 -1.663,43.862 0.259,43.862 0.75,43.371 1.636,43.371 2.601,42.406 5.257,42.406 5.557,42.706 5.992,42.706 6.75,43.464 6.782,43.464 v1(6.782,43.231) ; U1.23@-0.75,66.288 -0.75,66.942 -1.422,67.615 v1(-1.829,67.615) -1.829,69.342 -2.675,70.189 -6.705,70.189 -6.731,70.214 v1@-6.663,70.282 ; v1(-0.533,112.014) -0.533,114.967 LCD1.6@-0.5,115
  Bottom Layer w0.15: v1(-6.604,70.282) -6.799,70.282 -7.043,70.526 -7.043,70.548 -7.061,70.566 -7.061,87.853 -6.79,88.124 -6.79,89.47 -6.409,89.851 -6.409,90.331 -7.475,91.397 -7.475,101.433 -7.688,101.645 -7.688,104.86 v1(-0.533,112.014) ; v1(-1.829,67.615) -3.395,66.048 -3.395,62.755 -2.252,61.612 -0.545,61.612 -0.14,61.208 -0.14,57.037 6.419,50.478 6.419,43.593 v1(6.782,43.231)
HSPI_CS_GPIO_15: LCD1.5 R25.2 U5.13 | length 97.7
  Top Layer w0.15: R25.2@-14.6,88.3 -14.4,88.5 -8.223,88.5 v1(-7.671,89.052) -7.759,89.141 -7.759,90.417 -0.203,97.973 -0.203,111.201 0.8,112.204 LCD1.5@0.8,115 ; U5.13@-3.409,44.945 -3.167,45.187 1.268,45.187 2.793,43.662 4.064,43.662 v1(4.199,43.798)
  Bottom Layer w0.15: v1(-7.671,89.052) -7.84,88.883 -7.84,88.124 -7.661,87.945 -7.661,70.317 -7.643,70.299 -7.643,64.127 -3.637,60.121 -3.637,57.334 2.631,51.066 4.558,51.066 5.519,50.105 5.519,45.118 v1(4.199,43.798)
HSPI_MISO: U1.9 U5.10 | length 31.3
  Top Layer w0.15: U5.10@-2.348,43.884 -2.057,44.175 0.371,44.175 0.875,43.671 1.76,43.671 2.726,42.706 5.018,42.706 5.721,43.409 v1(5.766,43.409) ; v1(-0.762,61.087) -0.762,61.214 -0.254,61.722 -0.254,62.334 U1.9@-0.25,62.338
  Bottom Layer w0.15: v1(-0.762,61.087) -0.762,60.731 -0.44,60.41 -0.44,56.913 6.119,50.354 6.119,43.762 v1(5.766,43.409)
HSPI_MOSI: LCD1.3 U1.24 U3.14 U5.12 | length 99.9
  Top Layer w0.15: v1(-7.315,88.341) -7.146,88.511 -7.146,89.27 -7.459,89.583 -7.459,90.292 0.152,97.904 0.152,109.499 3.4,112.747 LCD1.3@3.4,115 ; U3.14@-5.595,68.875 -5.588,68.868 v1(-5.588,67.615) -5.588,66.04 -5.029,65.481 -2.975,65.481 -2.493,65.963 -1.575,65.963 U1.24@-1.25,66.288 ; U5.12@-3.055,44.591 -2.76,44.887 1.144,44.887 2.8,43.231 v1(4.801,43.231)
  Bottom Layer w0.15: v1(-7.315,88.341) -7.361,88.295 -7.361,70.441 -7.343,70.423 -7.343,69.37 v1(-5.588,67.615) -5.588,62.496 -3.337,60.245 -3.337,57.459 2.755,51.366 4.682,51.366 5.819,50.229 5.819,44.249 v1(4.801,43.231)
IN1: pad.1@-11.829,57.465 U4.5 | length 33.9
  Top Layer w0.15: v1(-11.1,71.526) -10.242,72.384 -2.077,72.384 v1(-2.057,72.365) ; v1(5.842,72.669) 6.865,73.692 U4.5@6.865,74.325
  Bottom Layer w0.15: pad.1@-11.829,57.465 -11.829,58.717 -11.097,59.449 -11.097,63.843 -11.116,63.862 -11.116,70.117 -11.162,70.163 -11.162,70.909 -11.1,70.97 v1(-11.1,71.526) ; v1(-2.057,72.365) -1.753,72.669 v1(5.842,72.669)
IN2: pad.1@-11.335,54.973 U4.2 | length 42
  Top Layer w0.15: v1(-10.312,71.526) -10.262,71.526 -9.754,72.034 -2.997,72.034 v1(-2.54,71.577) ; U4.2@10.675,74.325 10.675,71.57 v1(10.693,71.589)
  Bottom Layer w0.15: pad.1@-11.335,54.973 -10.681,55.627 -10.816,55.761 -10.816,56.745 -10.604,56.957 -10.604,57.972 -10.787,58.155 -10.787,63.957 -10.816,63.986 -10.816,70.406 -10.787,70.435 -10.787,70.789 -10.312,71.263 v1(-10.312,71.526) v1@-10.16,71.526 ; v1(-2.54,71.577) -1.93,71.577 -1.422,72.085 10.197,72.085 v1(10.693,71.589)
IN3: pad.1@-10.842,52.481 U4.4 | length 39.8
  Top Layer w0.15: v1(-10.262,70.536) -9.271,71.526 -3.734,71.526 -3.26,71.052 -2.323,71.052 -2.128,71.247 v1(-1.372,71.247) ; v1(5.842,71.501) 6.706,71.501 8.135,72.93 U4.4@8.135,74.325
  Bottom Layer w0.15: pad.1@-10.842,52.481 -10.262,53.062 -10.262,54.314 -10.11,54.465 -10.11,55.48 -10.262,55.632 -10.262,58.242 -10.487,58.467 -10.487,64.082 -10.516,64.111 -10.516,70.282 v1(-10.262,70.536) ; v1(-1.372,71.247) -1.101,71.518 1.487,71.518 1.504,71.501 v1(5.842,71.501)
JOYSTK: R7.1 U4.13 | length 8
  Top Layer w0.15: R7.1@7.9,76 8.8,75.1 8.8,69.34 U4.13@8.135,68.675